# Altium PCB PCB.PcbDoc
Units mm, origin at the board's own origin, x right, y up, seen from the top; angles counter-clockwise.
Board outline 80 x 67.5 mm, 2 copper layers (Top Layer, Bottom Layer); 50 components, 44 nets, 227 pads, 52 vias.
Unrouted connection lines stored in the file: 58.
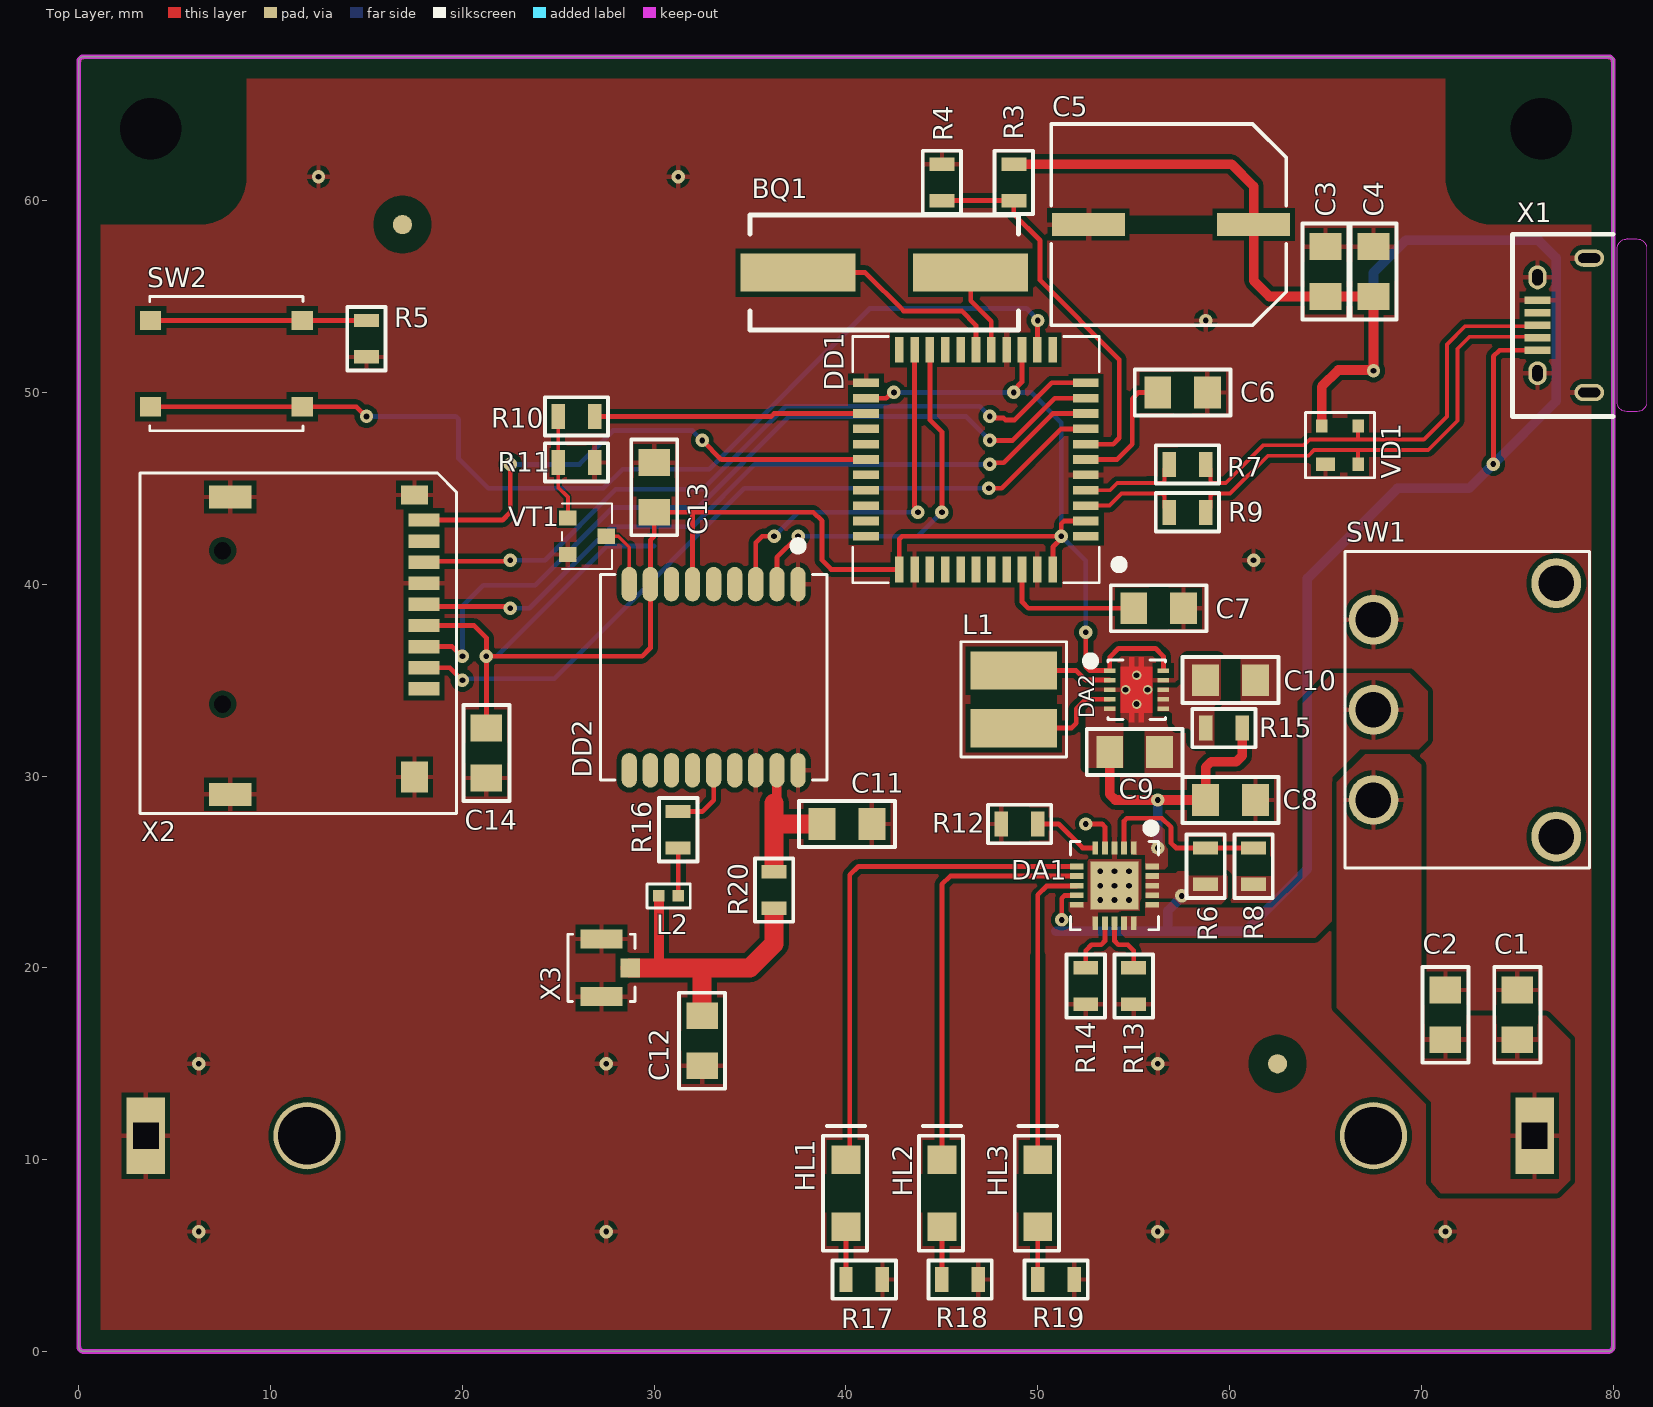
[diagram p0: Top Layer view]
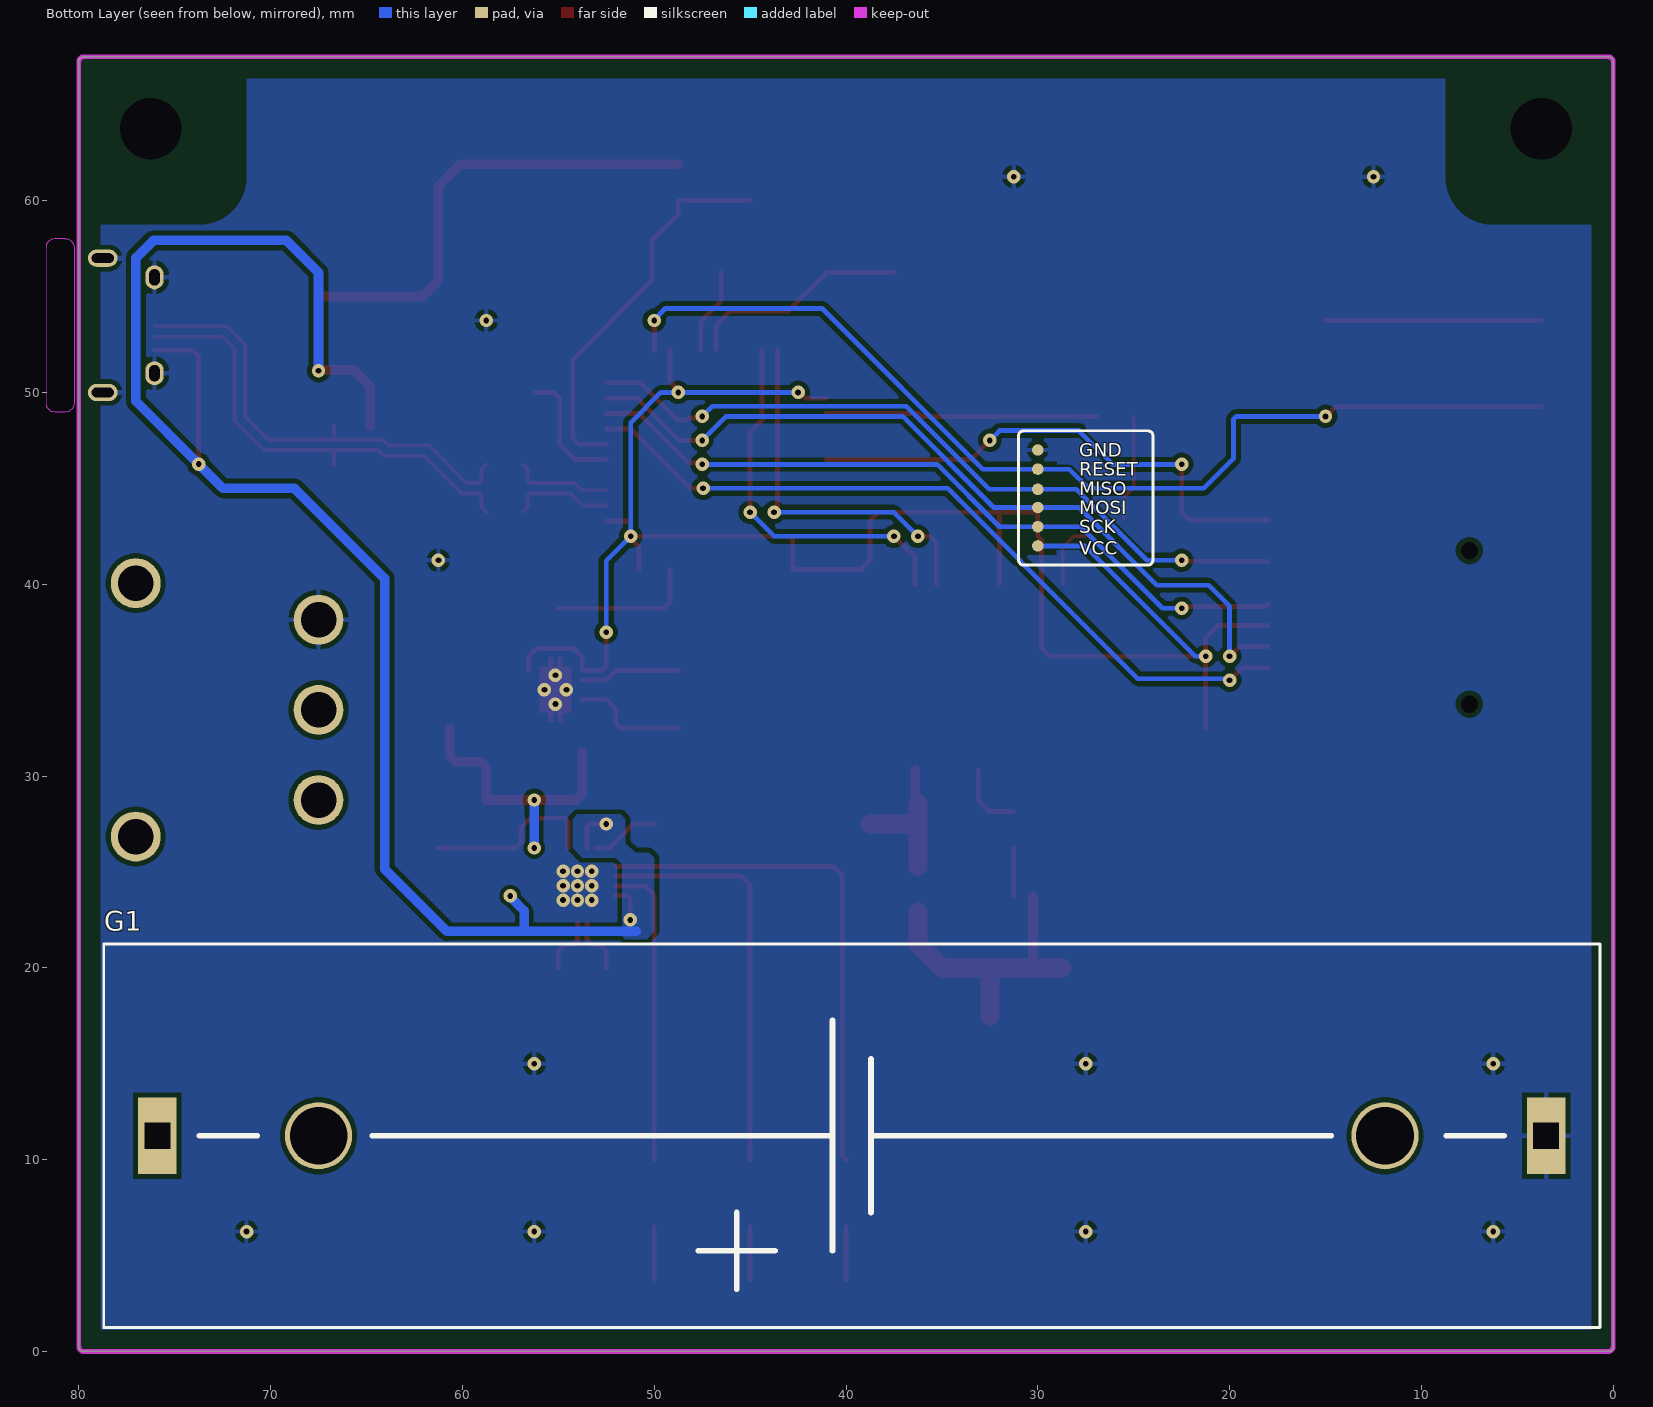
[diagram p1: Bottom Layer view, seen from below]
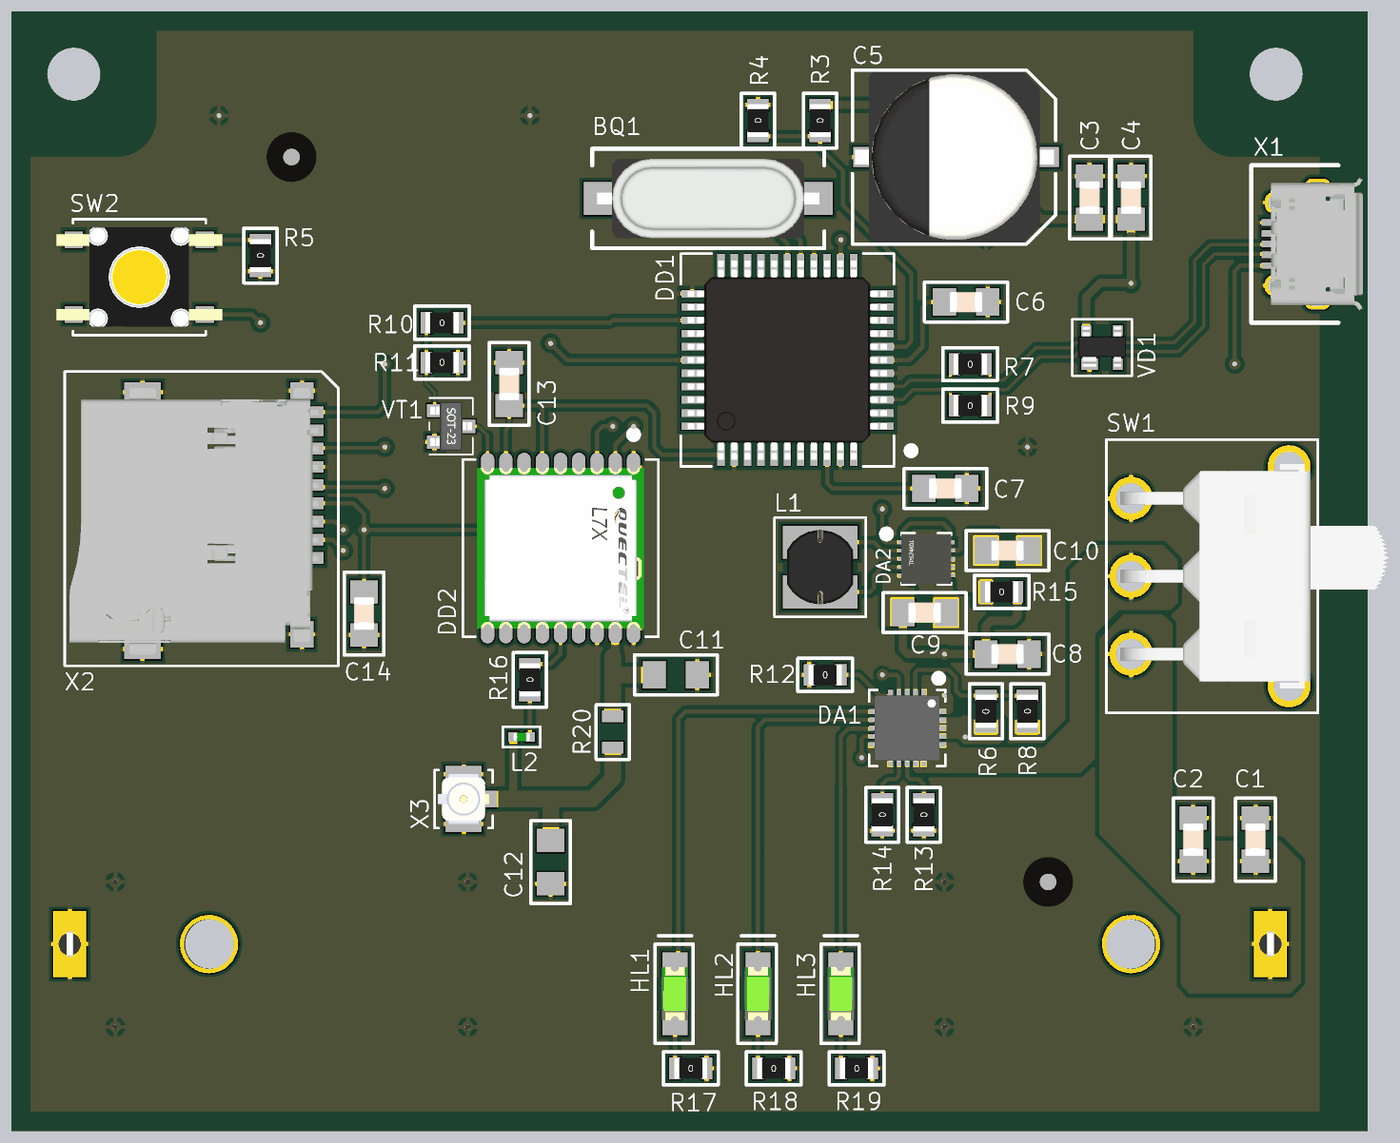
[diagram p2: 3D render of the assembled board from above, using the file's embedded part models]

## Layer stack, top to bottom
Top Solder: solder mask 0.0102, Solder Resist, Dk 3.5
Top Layer: signal copper 0.0356
Dielectric 1: dielectric 0.32, FR-4, Dk 4.8
Bottom Layer: signal copper 0.0356
Bottom Solder: solder mask 0.0102, Solder Resist, Dk 3.5

## Board outline
0,0.254 0,67.246 cw(c0.254,67.246) 0.254,67.5 79.746,67.5 cw(c79.746,67.246) 80,67.246 80,0.254 cw(c79.746,0.254) 79.746,0 0.254,0 cw(c0.254,0.254)

## Design rules (kind name [scope] priority, off if disabled: settings)
Clearance TestPoints_1 [WithinRoom('TestPoints')] p1: gap=0.1 ignorepadtopadclearanceinfootprint=FALSE
Clearance Clearance_Batt [WithinRoom('Batt_driver')] p2: gap=0.2 ignorepadtopadclearanceinfootprint=FALSE
Clearance Clearance_Keep_Out [OnLayer('Keep-Out Layer')] p3: gap=1 ignorepadtopadclearanceinfootprint=FALSE
Clearance [All] p4: gap=0.25 ignorepadtopadclearanceinfootprint=FALSE
DiffPairsRouting [All] p1: maxlimit=0.35 minlimit=0.35 mostfreqgap=0.35 toplayer_minwidth=0.2 toplayer_maxwidth=0.2 toplayer_prefwidth=0.2 bottomlayer_minwidth=0.2 bottomlayer_maxwidth=0.2 bottomlayer_prefwidth=0.2 maxuncoupledlength=12.7
HoleSize [All] p1: absolutevalues=TRUE maxlimit=2.5 minlimit=0.025 maxpercent=80.000 minpercent=20.000
HoleToHoleClearance [All] p1: gap=0.25 allowstackedmicrovias=TRUE
MatchedLengths MatchedLengths_Dif_pair [InDifferentialPair('USB_D')] p1: tolerance=0.5 checknetsindiffpair=TRUE checkdiffpairvsdiffpair=FALSE checkxsignals=FALSE checkothers=FALSE
MinimumSolderMaskSliver [All] p1: minsoldermaskwidth=0.25
PlaneClearance [All] p1: clearance=0.5
PlaneConnect [All] p1: planeconnectstyle=Relief reliefexpansion=0.5 reliefentries=4 reliefconductorwidth=0.25 reliefairgap=0.25
PolygonConnect Stab_and_batt_driver_polygons [WithinRoom('Batt_driver')or WithinRoom('Stab')] p1: connectstyle=Direct reliefconductorwidth=0.254 reliefentries=4 polygonreliefangle="90 Angle" airgapwidth=0.254
PolygonConnect [All] p2: connectstyle=Relief reliefconductorwidth=0.25 reliefentries=4 polygonreliefangle="90 Angle" airgapwidth=0.25
RoomDefinition TestPoints [False] p1: confinementstyle=ConfineIn formatcopy=TRUE lockcomponents=FALSE outline 24,48.009 31,48.009 31.025,47.984 31.025,41 24.004,41 24.003,40.998
RoomDefinition Batt_driver [InComponentClass('Room Definition3') vs False] p2: confinementstyle=ConfineIn formatcopy=TRUE lockcomponents=FALSE outline 49.75,20.65 49.75,27.989 63.1,27.989 63.1,20.65
RoomDefinition Stab [InComponentClass('Room Definition2') vs False] p3: confinementstyle=ConfineIn formatcopy=TRUE lockcomponents=FALSE outline 45.974,29.79 45.974,37.004 62.75,37.004 62.75,29.79
RoutingCorners [All] p1: cornerstyle=45-Degree minsetback=2.5 maxsetback=2.5
RoutingVias RoutingVias_Stab [WithinRoom('Stab')] p1: holewidth=0.4 width=1 viastyle="Through Hole" minholewidth=0.1 minwidth=0.1 maxholewidth=0.7 maxwidth=1.2
RoutingVias RoutingVias_Batt [WithinRoom('Batt_driver')] p2: holewidth=0.4 width=1 viastyle="Through Hole" minholewidth=0.1 minwidth=0.1 maxholewidth=0.7 maxwidth=1.2
RoutingVias RoutingVias_Type-C [WithinRoom('Type-C')] p3: holewidth=0.3 width=0.4 viastyle="Through Hole" minholewidth=0.2 minwidth=0.3 maxholewidth=0.5 maxwidth=0.7
RoutingVias [All] p4: holewidth=0.5 width=1 viastyle="Through Hole" minholewidth=0.3 minwidth=0.7 maxholewidth=0.7 maxwidth=1.2
SilkToSilkClearance [All] p1: silktosilkclearance=0.25
SilkToSolderMaskClearance [IsPad] p1: minsilkscreentomaskgap=0.25 clearancetoexposedcopper=TRUE
SolderMaskExpansion [All] p1: expansion=0.1 istentingtop=FALSE
SupplyNets "Schematic Supply Nets_9" [InNet('STAT2')] p1: voltage=0.000
SupplyNets "Schematic Supply Nets_8" [InNet('3V3')] p2: voltage=0.000
SupplyNets "Schematic Supply Nets_7" [InNet('GND')] p3: voltage=0.000
SupplyNets "Schematic Supply Nets_6" [InNet('PG')] p4: voltage=0.000
SupplyNets "Schematic Supply Nets_5" [InNet('VPcc')] p5: voltage=0.000
SupplyNets "Schematic Supply Nets_4" [InNet('VBAT')] p6: voltage=0.000
SupplyNets "Schematic Supply Nets_3" [InNet('USB_D_P')] p7: voltage=0.000
SupplyNets "Schematic Supply Nets_2" [InNet('USB_D_N')] p8: voltage=0.000
SupplyNets "Schematic Supply Nets_1" [InNet('VIN')] p9: voltage=0.000
SupplyNets "Schematic Supply Nets" [InNet('STAT1')] p10: voltage=0.000
Width Width_antenna [InNetClass('antenna')] p1: maxlimit=3 minlimit=0.5 preferedwidth=1
Width [All] p2: maxlimit=0.5 minlimit=0.15 preferedwidth=0.25
21 further rules are at their usual default settings.

## Classes and differential pairs
net class antenna: NetC11_1 NetC12_1
differential pair USB1_D: +USB1_D_P -USB1_D_N
differential pair USB_D: +USB_D_P -USB_D_N

## Components (designator, comment, footprint, x,y, rotation, side; value= is the part's Value field where it differs from the comment)
BQ1 "HC49SMD" HC49SMD 42,56.25 r0 top
C1 "22 мкФ" CC0805 75,17.55 r90 top
C2 "1 мкФ" CC0805 71.25,17.55 r90 top
C3 "100 нФ" CC0805 65,56.3 r90 top
C4 "22 мкФ" CC0805 67.5,56.3 r90 top
C5 "1000 мкФ" SMD_CAP_10x10.5 56.95,58.75 r0 top
C6 "1.0 мкФ" CC0805 57.55,50 r0 top
C7 "0.1 мкФ" CC0805 56.3,38.75 r0 top
C8 "4.7 мкФ" CC0805 60.05,28.75 r0 top
C9 "10 мкФ" CC0805 55.05,31.25 r0 top
C10 "100 нФ" CC0805 60.05,35 r0 top
C11 "0 пФ" CC0805_0 40.05,27.5 r0 top
C12 "0 пФ" CC0805_0 32.5,16.2 r270 top
C13 "10 мкФ" CC0805 30,45.05 r90 top
C14 "10 мкФ" CC0805 21.25,31.2 r270 top
DA1 "MCP73871" QFN-20 55,26.25 r270 top
DA2 "TPS63001" VSON10 55.15,34.5 r0 top
DD1 "ATMEGA32U4" TQFP-44 52.5,42.5 r180 top
DD2 "L76L-M33" L76-M33 37.5,40 r270 top
G1 "18650" KLS5-18650 39.7,11.25 r0 bottom
HL1 "TO-3216BC-PG" LED_1206_Green 40,8.25 r90 top
HL2 "TO-3216BC-PG" LED_1206_Green 45,8.25 r90 top
HL3 "TO-3216BC-PG" LED_1206_Green 50,8.25 r90 top
L1 "2.2 мкГн" SMD-CDSP43 48.75,34 r90 top
L2 "47 нГн" 0402 30.75,23.75 r180 top
R3 "51 кОм" RC0805 48.75,60.95 r270 top
R4 "100 кОм" RC0805 45,60.95 r90 top
R5 "470 Ом" RC0805 15,52.8 r90 top
R6 "270 кОм" RC0805 58.75,25.3 r270 top
R7 "22 Ом" RC0805 57.8,46.25 r0 top
R8 "100 Ом" RC0805 61.25,25.3 r90 top
R9 "22 Ом" RC0805 57.8,43.75 r0 top
R10 "4.7 кОм" RC0805 25.95,48.75 r0 top
R11 "47 кОм" RC0805 25.95,46.35 r180 top
R12 "10 кОм" RC0805 49.05,27.5 r0 top
R13 "2 кОМ" RC0805 55,19.05 r90 top
R14 "10 кОм" RC0805 52.5,19.05 r90 top
R15 "100 Ом" RC0805 59.7,32.5 r180 top
R16 "10 Ом" RC0805 31.25,27.2 r90 top
R17 "470 Ом" RC0805 40.95,3.75 r0 top
R18 "470 Ом" RC0805 45.95,3.75 r0 top
R19 "470 Ом" RC0805 50.95,3.75 r0 top
R20 "0 Ом" RC0805_0 36.25,24.05 r90 top
SW1 "SPDT_Switch" SPDT-Horizontal 72.265,33.45 r270 top
SW2 "SW" 6x6_SMD 7.7,51.5 r0 top
VD1 "PRTR5V0U2X" SOT143 65.75,47.25 r0 top
VT1 "MMBT5089" SOT23 26.5,42.5 r270 top
X1 "" USB-B-micro 78.75,53.5 r90 top
X2 "microSD SMD" microSD-SMD 17.2,36.8 r270 top
X3 "U.FL-R-SMT-1" U.FL-R-SMT-1 27.25,20 r90 top

## Footprints (in the part's own frame and the unit in brackets; to place one, negate y for a bottom-side part, rotate by r counter-clockwise, add the part's x,y. Pads: shape width x height; smd on the part's side, far side on the other; paste and mask are expansions set on the pad)
6x6_SMD [mm]
  rect 1.1x1 smd: 1(-3.95,2.25) 1(3.95,2.25) 2(-3.95,-2.25) 2(3.95,-2.25)
  silkscreen extent -4,-3.5 4,3.5, body extent -5,-3 5,3, height 5
0402 [mm]
  rect 0.6x0.6 smd: 1(-0.5,0) 2(0.5,0)
  Top Layer pour cut-out: -0.2,-0.5 0.2,-0.5 0.2,0.5 -0.2,0.5
  silkscreen extent -1.13,-0.63 1.13,0.63, body extent -0.51,-0.25 0.51,0.25, height 0.52
CC0805 [mm]
  rect 1.4x1.65 smd: 1(-1.3,0) 2(1.3,0)
  Top Layer pour cut-out: -0.5,1.1 0.5,1.1 0.5,-1.1 -0.5,-1.1
  silkscreen extent -2.5,-1.2 2.5,1.2, body extent -1,-0.63 1,0.63, height 0.81
CC0805_0 [mm]
  rect 1.4x1.65 smd: 1(-1.3,0) 2(1.3,0)
  Top Layer pour cut-out: -0.5,1.1 0.5,1.1 0.5,-1.1 -0.5,-1.1
  silkscreen extent -2.5,-1.2 2.5,1.2
HC49SMD [mm]
  rect 6x2 smd: 1(-4.5,0) 2(4.5,0)
  silkscreen extent -7,-3 7,3, body extent -6.7,-2.4 6.7,2.4, height 4
KLS5-18650 [mm]
  rect 2x4 hole 1.34 square: Minus(-36.2,0) Plus(36.2,0)
  round 3.5 hole 3: NC(-27.8,0) NC(27.8,0)
  silkscreen extent -39,-10 39,10, body extent -39,-10 39,10, height 21.5
L76-M33 [mm]
  oval 1.8x0.8 smd: 1(0,0) 2(0,-1.1) 3(0,-2.2) 4(0,-3.3) 5(0,-4.4) 6(0,-5.5) 7(0,-6.6) 8(0,-7.7) 9(0,-8.8) 10(9.7,0) 11(9.7,-1.1) 12(9.7,-2.2) 13(9.7,-3.3) 14(9.7,-4.4) 15(9.7,-5.5) 16(9.7,-6.6) 17(9.7,-7.7) 18(9.7,-8.8)
  silkscreen extent -2.2,-10.3 10.2,1.5, body extent 0,-9.45 9.7,0.65, height 2.49
LED_1206_Green [mm]
  rect 1.5x1.5 smd: A(-1.75,0) K(1.75,0)
  Top Layer pour cut-out: -1,1.1 1,1.1 1,-1 -1,-1
  silkscreen extent -3,-1.1 3.5,1.2, body extent -1.61,-0.8 1.61,0.8, height 1.1
microSD-SMD [mm]
  rect 0.7x1.6 smd mask+0.09: 1(2.25,0.8) 2(1.15,0.8) 3(0.05,0.8) 4(-1.05,0.8) 5(-2.15,0.8) 6(-3.25,0.8) 7(-4.35,0.8) 8(-5.45,0.8) Cd(-6.55,0.8)
  rect 1x1.4 smd: GND(-7.85,0.3)
  rect 1.2x2.2 smd: GND(-7.75,-9.3) GND(7.75,-9.3)
  rect 1.6x1.4 smd: GND(6.85,0.3)
  rect 0x0 / inner rect 0x0 / far side round 0 hole 0.9 unplated: ""(-4.95,-9.7) ""(3.05,-9.7)
  silkscreen extent -9,-14 8.75,2.5, body extent -8.03,-13.7 8.08,1.3, height 1.95
QFN-20 [mm]
  rect 0.7x0.3 smd mask+0.05: 1(0,0) 2(0,-0.5) 3(0,-1) 4(0,-1.5) 5(0,-2) 11(3.93,-2) 12(3.93,-1.5) 13(3.93,-1) 14(3.93,-0.5) 15(3.93,0)
  rect 0.3x0.7 smd mask+0.05: 6(0.965,-2.965) 7(1.465,-2.965) 8(1.965,-2.965) 9(2.465,-2.965) 10(2.965,-2.965) 16(2.965,0.965) 17(2.465,0.965) 18(1.965,0.965) 19(1.465,0.965) 20(0.965,0.965)
  rect 2.5x2.5 smd: 21(1.965,-1)
  silkscreen extent -1.23,-3.3 4.27,1.3, body extent -0.04,-3.01 3.97,0.99, height 0.92
RC0805 [mm]
  rect 0.7x1.3 smd: 1(-0.95,0) 2(0.95,0)
  Top Layer pour cut-out: -0.5,0.9 0.5,0.9 0.5,-0.9 -0.5,-0.9
  silkscreen extent -1.65,-1 1.65,1, body extent -1,-0.63 1,0.63, height 0.43
RC0805_0 [mm]
  rect 0.7x1.3 smd: 1(-0.95,0) 2(0.95,0)
  Top Layer pour cut-out: -0.5,0.9 0.5,0.9 0.5,-0.9 -0.5,-0.9
  silkscreen extent -1.65,-1 1.65,1
SMD-CDSP43 [mm]
  rect 2x4.5 smd: 1(-1.5,0) 2(1.5,0)
  Top Layer pour cut-out: -0.5,2.25 0.5,2.25 0.5,-2.25 -0.5,-2.25
  silkscreen extent -3,-2.75 3,2.75, body extent -2.25,-2 2.25,2, height 3.22
SMD_CAP_10x10.5 [mm]
  rect 3.8x1.2 smd: 1(-4.3,0) 2(4.3,0)
  Top Layer pour cut-out: -2.25,0.5 -2.25,-0.5 2.25,-0.5 2.25,0.5
  silkscreen extent -6.25,-5.25 6,5.25, body extent -6.1,-5.15 5.9,5.15, height 10.5
SOT23 [mm]
  rect 0.8x0.9 smd: 1(-0.95,-1) 2(0.95,-1) 3(0,1)
  Top Layer pour cut-out: -1.45,0.55 1.45,0.55 1.45,-0.55 -1.45,-0.55
  silkscreen extent -1.7,-1.3 1.7,1.3, body extent -1.5,-1.25 1.5,1.25, height 1.1
SOT143 [mm]
  rect 1x0.7 smd: 1(-0.75,-1)
  rect 0.6x0.7 smd: 2(0.95,-1) 3(0.95,1) 4(-0.95,1)
  Top Layer pour cut-out: -0.2,-0.6 -1.333,-0.6 -1.338,0.6 -0.6,0.6 -0.6,1.4 0.6,1.4 0.605,0.6 1.4,0.6 1.4,-0.6 0.6,-0.6 0.6,-1.4 -0.2,-1.4
  silkscreen extent -1.8,-1.7 1.8,1.7, body extent -1.45,-1.15 1.45,1.25, height 0.96
SPDT-Horizontal [mm]
  round 2.6 hole 1.85: COM(0,-4.765) GND(-6.605,4.765) GND(6.605,4.765) NC(-4.7,-4.765) NO(4.7,-4.765)
  silkscreen extent -8.25,-6.25 8.25,6.5, body extent -6.79,-5.4 6.79,10.79, height 6.6
TQFP-44 [mm]
  rect 1.35x0.45 smd mask+0.05: 1(0,0) 2(0,-0.8) 3(0,-1.6) 4(0,-2.4) 5(0,-3.2) 6(0,-4) 7(0,-4.8) 8(0,-5.6) 9(0,-6.4) 10(0,-7.2) 11(0,-8) 23(11.45,-8) 24(11.45,-7.2) 25(11.45,-6.4) 26(11.45,-5.6) 27(11.45,-4.8) 28(11.45,-4) 29(11.45,-3.2) 30(11.45,-2.4) 31(11.45,-1.6) 32(11.45,-0.8) 33(11.45,0)
  rect 0.45x1.35 smd mask+0.05: 12(1.725,-9.725) 13(2.525,-9.725) 14(3.325,-9.725) 15(4.125,-9.725) 16(4.925,-9.725) 17(5.725,-9.725) 18(6.525,-9.725) 19(7.325,-9.725) 20(8.125,-9.725) 21(8.925,-9.725) 22(9.725,-9.725) 34(9.725,1.725) 35(8.925,1.725) 36(8.125,1.725) 37(7.325,1.725) 38(6.525,1.725) 39(5.725,1.725) 40(4.925,1.725) 41(4.125,1.725) 42(3.325,1.725) 43(2.525,1.725) 44(1.725,1.725)
  silkscreen extent -1.94,-10.43 12.15,2.43, body extent -0.29,-10.01 11.74,2.01, height 1.61
U.FL-R-SMT-1 [mm]
  rect 1x1 smd: 1(0,-1.5)
  rect 1x2.2 smd: 2(-1.5,0) 2(1.5,0)
  silkscreen extent -1.75,-1.75 1.75,1.75, body extent -1.5,-1.55 1.5,1.55, height 1.25
USB-B-micro [mm]
  rect 0.4x1.35 smd: 1(-1.3,2.7) 2(-0.65,2.7) 3(0,2.7) 4(0.65,2.7) 5(1.3,2.7)
  oval 0.9x1.55 hole 0.5 slot 1.15 at 90 deg unplated: 6(-3.5,0) 6(3.5,0)
  oval 1.25x0.95 hole 0.55 slot 0.85 at 0 deg unplated: 6(-2.5,2.7) 6(2.5,2.7)
  Keep-Out Layer board cut-out: -4,-1.45 4,-1.45 4.195,-1.494 4.359,-1.609 4.466,-1.778 4.5,-1.975 4.5,-1.95 4.5,-2.5 4.462,-2.691 4.354,-2.854 4.191,-2.962 4,-3 4,-3 -4,-3 -4.191,-2.962 -4.354,-2.854 -4.462,-2.691 -4.5,-2.5 -4.5,-2.5 -4.5,-1.95 -4.462,-1.759 -4.354,-1.596 -4.191,-1.488 -4,-1.45
  silkscreen extent -4.75,-1.25 4.75,4, body extent -4.02,-2.73 4.02,2.85, height 2.72
VSON10 [mm]
  rect 0.6x0.24 smd mask+0.05: 1(-1.4,1) 2(-1.4,0.5) 3(-1.4,0) 4(-1.4,-0.5) 5(-1.4,-1) 6(1.4,-1) 7(1.4,-0.5) 8(1.4,0) 9(1.4,0.5) 10(1.4,1)
  round 0.025 smd: 11(0,0)
  Top Layer region: -0.825,1.2 -0.375,1.2 -0.375,1.7 -0.125,1.7 -0.125,1.2 0.125,1.2 0.125,1.7 0.375,1.7 0.375,1.2 0.825,1.2 0.825,-1.2 0.375,-1.2 0.375,-1.7 0.125,-1.7 0.125,-1.2 -0.125,-1.2 -0.125,-1.7 -0.375,-1.7 -0.375,-1.2 -0.825,-1.2
  silkscreen extent -2.6,-1.55 1.5,1.7, body extent -1.5,-1.5 1.5,1.5, height 0.95
